# KiCad board PANEL_COM_MOD.kicad_pcb (continued)
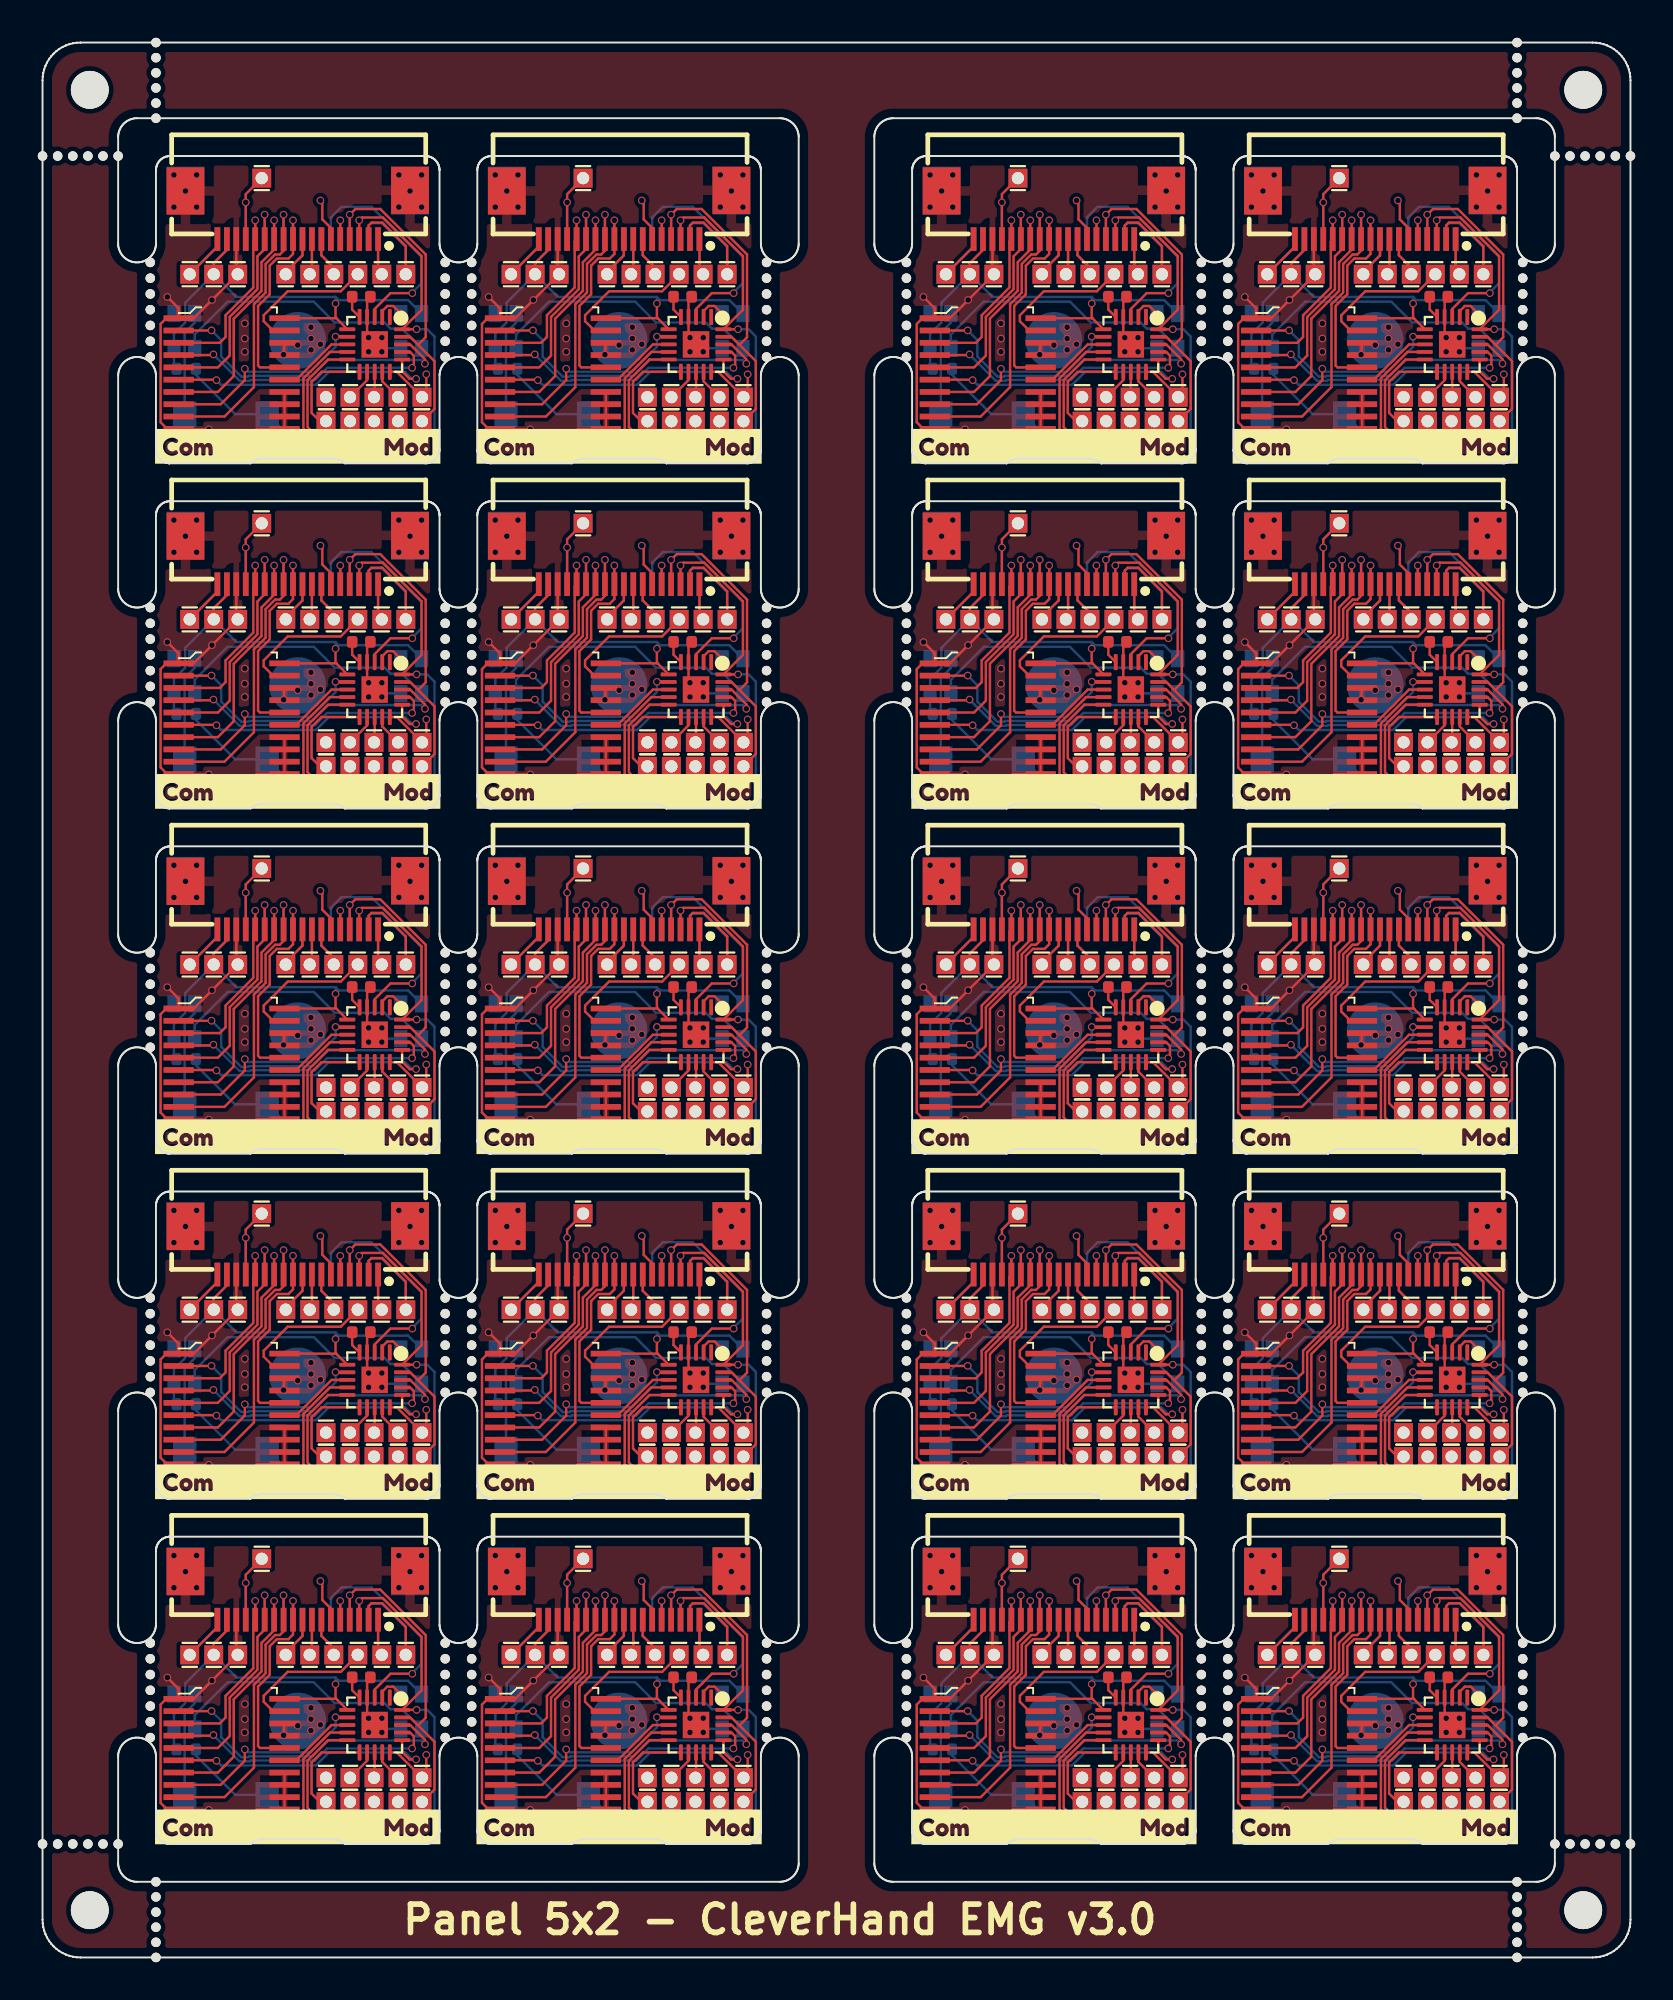
[diagram p0: board, top side]
## Routing (per net, layer and track width the routed paths; a pad name or vN(x,y) marks a point on that pad's centre or on a via; arc(x,y) is an arc through that point) (continued)
Board_15-/i2C_SCL: length 19.7
  Top w0.127: v1(76.79,31.34) U1#9.20 77.05,32.37 77.05,35.21 75.01,37.25 73.9,37.25 v1(73.75,37.1) 73.75,36.08
  Bottom w0.127: 75.81,26.48 76.46,25.83 77.73,25.83 77.73,30.96 77.35,31.34 v1(76.79,31.34) ; v1(73.75,37.1) 73.75,36.08
Board_15-/I2C_SDA: length 18.4
  Top w0.127: 76.87,30.52 76.44,30.94 U1#9.19 ; 76.87,30.52 77.27,30.92 77.27,35.3 74.86,37.7 73.55,37.7 v1(73.25,37.4) 73.25,36.08 ; 76.87,30.52 77.73,29.65 77.73,27.13 77.08,26.48
  Bottom w0.127: v1(73.25,37.4) 73.25,36.08
Board_15-/IO1_in: length 12.2
  Top w0.127: U1#9.3 74.57,32.42 75.4,33.25 v1(76.56,33.25)
  Bottom w0.127: 72.25,36.08 72.25,37.25 72.81,37.81 74.4,37.81 77.05,35.16 77.05,33.78 76.56,33.29 v1(76.56,33.25)
Board_15-/IO1_out: length 19.7
  Top w0.127: U1#9.15 75.74,29.09 77.08,27.75 77.3,27.97 v1(77.3,28.96) ; v1(71.7,38.15) 71.8,38.05 71.8,37.15 72.25,36.7 72.25,36.08
  In2.Cu w0.127: v1(77.3,28.96) 77.64,29.3 77.64,35.36 74.65,38.35 71.9,38.35 v1(71.7,38.15)
Board_15-/IO2: length 2.1
  Top w0.127: v1(72.75,37.1) 72.75,36.08
  Bottom w0.127: 72.75,36.08 v1(72.75,37.1)
Board_15-/LED_IN: length 1.6
  Top w0.127: U1#9.2 74.97,32.3 75.23,32.57 75.55,32.57 v1(75.95,32.17)
Board_15-/PICO: length 3.7
  Top w0.127: J6#8.1 71.25,34.37 71.25,36.08
  Bottom w0.127: 71.25,36.08 71.25,34.37 J6#8.1
Board_15-/PICO_ARM: length 1.4
  Top w0.127: 74.54,27.75 74.57,27.78 U1#9.13
Board_15-/POCI: length 4.4
  Top w0.127: 70.75,36.08 70.75,35.25 69.86,34.37 J5#6.1
  Bottom w0.127: 70.75,36.08 70.75,35.25 69.86,34.37 J5#6.1
Board_15-/SCLK: length 4.2
  Top w0.127: 71.75,36.08 71.75,35.25 72.41,34.6 J7#17.1
  Bottom w0.127: J7#17.1 72.41,34.6 71.75,35.25 71.75,36.08
Board_15-/SCLK_ARM: length 1.7
  Top w0.127: 73.27,27.75 74.17,28.65 U1#9.12
Board_15-/SPICS_ARM: length 9.9
  Top w0.127: 74.54,26.48 73.67,25.61 71.27,25.61 70.8,26.08 70.8,28.74 72.2,30.14 U1#9.9
Board_15-/SWDIO/POCI_ARM: length 1.7
  Top w0.127: 75.81,27.75 74.97,28.59 U1#9.14
Board_15-/Vcap: length 1.2
  Top w0.127: C1#11.2 73.38,32.38 U1#9.5
Board_15-GND: length 34.7
  Top w0.127: U2#10.1 65,31.93 v1(65.96,32.89) J2#7.1 67.25,34.33 67.25,36.08 ; U2#10.1 64.2,32.45 v1(63.6,33.05) ; U2#10.1 63.55,31.93 63.25,31.62 63.25,26.42 63.59,26.08 U2#10.10 64.22,26.05 v1(65.8,26.05) ; U2#10.11 U2#10.14 69.34,28.03 ; U2#10.11 68.32,26.08 v1(68.1,25.85) ; U2#10.11 70.45,26.08 ; U1#9.21 74.25,30.86 v1(74.25,30.9) 74.21,30.9 74.17,30.94 U1#9.4 74.17,32.89 C1#11.1 ; U2#10.18 v1(69.75,30) U2#10.17
  Bottom w0.127: 64.51,26.85 64.51,31.15 65.05,31.69 65.05,32.17 65.24,32.17 v1(65.96,32.89) ; J2#7.1 67.25,34.33 67.25,36.08 ; 74.66,30.34 74.76,30.34 v1(74.95,30.15) 75.13,30.34 75.95,30.34
  vias: v1(63.95,39.5) v1(63.95,37.8) v1(64.56,38.65) v1(65.15,39.5) v1(65.15,37.8) v1(67.7,31.65) v1(67.7,30.85) v1(67.7,30.15) v1(70.5,30.5) v1(71.2,31.45) v1(71.2,30.85) v1(71.2,30.25) v1(71.7,30.55) v1(74.25,30.15) v1(74.95,30.9) v1(75.85,39.5) v1(75.85,37.8) v1(76.44,38.65) v1(77.05,39.5) v1(77.05,37.8)
Board_15-Net-(LED1-DO): length 14.5
  Bottom w0.127: 77.05,30.34 76.01,31.38 75.41,31.38 75.09,31.7 72.45,31.7 71.35,32.8 66.79,32.8 65.05,31.06 65.05,30.34
Board_16-+3.3V: length 26.7
  Top w0.127: U1#8.6 15.55,13.66 ; 15.55,13.66 15.53,13.67 U2#8.20 ; 15.55,13.66 15.5,13.71 v1(15.5,14.45) ; J1#9.1 9.05,16.59 9.75,17.29 9.75,17.83
  Bottom w0.127: 20.05,13.92 19.34,14.63 15.67,14.63 15.5,14.8 ; J1#9.1 9.05,16.59 9.75,17.29 9.75,17.83 ; J1#9.1 10.25,14.8 15.5,14.8 ; J1#9.1 7.55,14.49 7.55,13.45 6.95,12.85 6.95,11.14 R1#9.1 ; 15.5,14.8 v1(15.5,14.45)
Board_16-/addr_bus_0: length 10.5
  Top w0.127: v1(11.25,18.85) 11.25,17.83 11.15,17.72 11.15,15.3 9.68,13.83 9.68,12.68 9.37,12.38 U2#8.3
  Bottom w0.127: 11.25,17.83 v1(11.25,18.85)
Board_16-/addr_bus_1: length 12.5
  Top w0.127: v1(11.75,19.15) 11.75,17.33 11.37,16.95 11.37,15.21 9.9,13.74 9.9,11.7 9.27,11.08 U2#8.5
  Bottom w0.127: 11.75,17.83 v1(11.75,19.15)
Board_16-/addr_bus_2: length 13.4
  Top w0.127: v1(12.25,18.85) 12.25,17.3 11.58,16.63 11.58,15.12 10.12,13.65 10.12,10.62 9.27,9.78 U2#8.7
  Bottom w0.127: 12.25,17.83 v1(12.25,18.85)
Board_16-/addr_bus_3: length 15.9
  Top w0.127: v1(12.75,19.15) 12.75,17.24 12.55,17.05 12.3,17.05 11.8,16.54 11.8,15.03 11.18,14.41 11.18,10.03 9.62,8.48 U2#8.9
  Bottom w0.127: 12.75,17.83 v1(12.75,19.15)
Board_16-/addr_bus_4: length 11.3
  Top w0.127: v1(13.25,18.85) 13.25,17.07 13.01,16.83 12.39,16.83 12.02,16.45 12.02,14.94 11.4,14.32 11.4,11.18 11.5,11.08 U2#8.16
  Bottom w0.127: 13.25,17.83 v1(13.25,18.85)
Board_16-/addr_mod_0: length 16.8
  Top w0.127: v1(8.94,13.03) 8.93,13.03 U2#8.2 ; v1(20.23,11.27) 20.23,11.51 19.44,12.29 U1#8.18
  Bottom w0.127: v1(8.94,13.03) 9.45,12.52 9.45,11.65 10.51,10.59 10.87,10.59 10.91,10.63 14.27,10.63 15.12,11.47 20.03,11.47 v1(20.23,11.27)
Board_16-/addr_mod_1: length 14.6
  Top w0.127: v1(19.55,11.05) 19.55,11.11 19.64,11.2 19.64,11.7 19.44,11.89 U1#8.17 ; v1(9.04,11.76) 9,11.73 U2#8.4
  Bottom w0.127: v1(19.55,11.05) 15.05,11.05 14.41,10.41 11,10.41 10.96,10.37 10.42,10.37 9.04,11.75 v1(9.04,11.76)
Board_16-/addr_mod_2: length 14.6
  Top w0.127: v1(19.76,10.47) 19.42,10.47 19.02,10.87 U1#8.16 ; v1(9.2,10.4) 9.17,10.42 U2#8.6
  Bottom w0.127: v1(19.76,10.47) 19.55,10.47 19.18,10.83 15.14,10.83 14.46,10.15 9.45,10.15 v1(9.2,10.4)
Board_16-/addr_mod_3: length 11.2
  Top w0.127: U1#8.7 15.69,12.69 15.68,12.7 v1(15.5,12.7) ; v1(10.7,11) 10.7,10.4 9.42,9.12 U2#8.8
  Bottom w0.127: v1(15.5,12.7) 15.5,12.16 14.18,10.85 10.85,10.85 v1(10.7,11)
Board_16-/addr_mod_4: length 4.1
  Top w0.127: U2#8.15 13.42,10.42 15.29,12.29 16.12,12.29 U1#8.8
Board_16-/AIN0: length 5.3
  Top w0.127: U1#8.11 14.76,10.84 14.23,10.31 14.23,8.67 14.67,8.23 15,8.23
Board_16-/AUX1: length 4.9
  Top w0.127: J19#14.1 9.25,17.47 9.25,17.83
  Bottom w0.127: J19#14.1 9.25,17.47 9.25,17.83
Board_16-/AUX2: length 9.5
  Top w0.127: J20#12.1 19.21,17.48 17.97,18.73 17.4,18.73 17.25,18.58 17.25,17.83
  Bottom w0.127: 17.25,17.83 17.25,18.58 17.37,18.7 17.96,18.7 19.21,17.44 J20#12.1
Board_16-/AUX3: length 5.6
  Top w0.127: 10.75,17.83 v1(10.75,19.8) 10.75,20.23 J3#11.1
  Bottom w0.127: v1(10.75,19.8) 10.75,17.83
Board_16-/CSB: length 7.5
  Top w0.127: U2#8.19 12.19,13.03 11.7,13.52 11.7,13.83 12.97,15.1 15.77,15.1 J8#7.1
Board_16-/extRef: length 3.8
  Top w0.127: J9#14.1 17.75,16.2 17.75,17.83
  Bottom w0.127: 17.75,17.83 17.75,16.2 J9#14.1
Board_16-/GPIO: length 17.7
  Top w0.127: U1#8.10 15.1,11.49 14.02,10.4 14.02,7.92 14.36,7.58 15.62,7.58 16.27,8.23
  Bottom w0.127: R1#9.2 8.11,10.68 10.19,8.6 11.88,8.6 12.91,7.58 15.62,7.58 16.27,8.23
Board_16-/i2C_SCL: length 19.7
  Top w0.127: v1(19.79,13.09) U1#8.20 20.05,14.12 20.05,16.96 18.01,19 16.9,19 v1(16.75,18.85) 16.75,17.83
  Bottom w0.127: v1(16.75,18.85) 16.75,17.83 ; v1(19.79,13.09) 20.35,13.09 20.73,12.71 20.73,7.58 19.46,7.58 18.81,8.23
Board_16-/I2C_SDA: length 18.4
  Top w0.127: 19.87,12.27 19.44,12.69 U1#8.19 ; 19.87,12.27 20.73,11.4 20.73,8.88 20.08,8.23 ; 19.87,12.27 20.27,12.67 20.27,17.05 17.86,19.45 16.55,19.45 v1(16.25,19.15) 16.25,17.83
  Bottom w0.127: v1(16.25,19.15) 16.25,17.83
Board_16-/IO1_in: length 12.2
  Top w0.127: U1#8.3 17.57,14.17 18.4,15 v1(19.56,15)
  Bottom w0.127: v1(19.56,15) 19.56,15.04 20.05,15.53 20.05,16.91 17.4,19.56 15.81,19.56 15.25,19 15.25,17.83
Board_16-/IO1_out: length 19.7
  Top w0.127: U1#8.15 18.74,10.84 20.08,9.5 20.3,9.72 v1(20.3,10.71) ; 15.25,17.83 15.25,18.45 14.8,18.9 14.8,19.8 v1(14.7,19.9)
  In2.Cu w0.127: v1(20.3,10.71) 20.64,11.05 20.64,17.11 17.65,20.1 14.9,20.1 v1(14.7,19.9)
Board_16-/IO2: length 2.1
  Top w0.127: v1(15.75,18.85) 15.75,17.83
  Bottom w0.127: 15.75,17.83 v1(15.75,18.85)
Board_16-/LED_IN: length 1.6
  Top w0.127: U1#8.2 17.97,14.05 18.23,14.32 18.55,14.32 v1(18.95,13.92)
Board_16-/PICO: length 3.7
  Top w0.127: 14.25,17.83 14.25,16.12 J6#19.1
  Bottom w0.127: 14.25,17.83 14.25,16.12 J6#19.1
Board_16-/PICO_ARM: length 1.4
  Top w0.127: U1#8.13 17.57,9.53 17.54,9.5
Board_16-/POCI: length 4.4
  Top w0.127: J5#2.1 12.86,16.12 13.75,17 13.75,17.83
  Bottom w0.127: J5#2.1 12.86,16.12 13.75,17 13.75,17.83
Board_16-/SCLK: length 4.2
  Top w0.127: J7#13.1 15.41,16.35 14.75,17 14.75,17.83
  Bottom w0.127: 14.75,17.83 14.75,17 15.41,16.34 J7#13.1
Board_16-/SCLK_ARM: length 1.7
  Top w0.127: U1#8.12 17.17,10.4 16.27,9.5
Board_16-/SPICS_ARM: length 9.9
  Top w0.127: U1#8.9 15.2,11.89 13.8,10.49 13.8,7.83 14.27,7.36 16.67,7.36 17.54,8.23
Board_16-/SWDIO/POCI_ARM: length 1.7
  Top w0.127: U1#8.14 17.97,10.34 18.81,9.5
Board_16-/Vcap: length 1.2
  Top w0.127: C1#6.2 16.38,14.13 U1#8.5
Board_16-GND: length 34.7
  Top w0.127: v1(6.6,14.8) 7.2,14.2 U2#8.1 ; 10.25,17.83 10.25,16.08 J2#8.1 v1(8.96,14.64) 8,13.67 U2#8.1 ; U2#8.17 v1(12.75,11.75) U2#8.18 ; U2#8.11 13.45,7.83 ; U2#8.11 11.32,7.83 v1(11.1,7.6) ; U2#8.11 U2#8.14 12.34,9.78 ; v1(8.8,7.8) 7.23,7.8 U2#8.10 6.59,7.83 6.25,8.17 6.25,13.37 6.55,13.67 U2#8.1 ; U1#8.21 17.25,12.61 v1(17.25,12.65) 17.21,12.65 17.17,12.69 U1#8.4 17.17,14.64 C1#6.1
  Bottom w0.127: 18.95,12.09 18.13,12.09 v1(17.95,11.9) 17.76,12.09 17.66,12.09 ; 7.51,8.6 7.51,12.9 8.05,13.44 8.05,13.92 8.24,13.92 v1(8.96,14.64) ; J2#8.1 10.25,16.08 10.25,17.83
  vias: v1(6.95,21.25) v1(6.95,19.55) v1(7.56,20.4) v1(8.15,21.25) v1(8.15,19.55) v1(10.7,13.4) v1(10.7,12.6) v1(10.7,11.9) v1(13.5,12.25) v1(14.2,13.2) v1(14.2,12.6) v1(14.2,12) v1(14.7,12.3) v1(17.25,11.9) v1(17.95,12.65) v1(18.85,21.25) v1(18.85,19.55) v1(19.44,20.4) v1(20.05,21.25) v1(20.05,19.55)
Board_16-Net-(LED1-DO): length 14.5
  Bottom w0.127: 8.05,12.09 8.05,12.81 9.79,14.55 14.35,14.55 15.45,13.45 18.09,13.45 18.41,13.13 19.01,13.13 20.05,12.09
Board_17-+3.3V: length 26.7
  Top w0.127: J1#10.1 26.05,16.59 26.75,17.29 26.75,17.83 ; 32.55,13.66 32.53,13.67 U2#7.20 ; 32.55,13.66 U1#2.6 ; 32.55,13.66 32.5,13.71 v1(32.5,14.45)
  Bottom w0.127: 32.5,14.8 v1(32.5,14.45) ; 32.5,14.8 27.26,14.8 J1#10.1 ; 32.5,14.8 32.67,14.63 36.34,14.63 37.05,13.92 ; J1#10.1 24.55,14.49 24.55,13.45 23.95,12.85 23.95,11.14 R1#11.1 ; J1#10.1 26.05,16.59 26.75,17.29 26.75,17.83
Board_17-/addr_bus_0: length 10.5
  Top w0.127: U2#7.3 26.37,12.38 26.68,12.68 26.68,13.83 28.15,15.3 28.15,17.72 28.25,17.83 v1(28.25,18.85)
  Bottom w0.127: 28.25,17.83 v1(28.25,18.85)
Board_17-/addr_bus_1: length 12.5
  Top w0.127: U2#7.5 26.27,11.08 26.9,11.7 26.9,13.74 28.37,15.21 28.37,16.95 28.75,17.33 v1(28.75,19.15)
  Bottom w0.127: 28.75,17.83 v1(28.75,19.15)
Board_17-/addr_bus_2: length 13.4
  Top w0.127: v1(29.25,18.85) 29.25,17.3 28.58,16.63 28.58,15.12 27.12,13.65 27.12,10.62 26.27,9.78 U2#7.7
  Bottom w0.127: 29.25,17.83 v1(29.25,18.85)
Board_17-/addr_bus_3: length 15.9
  Top w0.127: v1(29.75,19.15) 29.75,17.24 29.55,17.05 29.3,17.05 28.8,16.54 28.8,15.03 28.18,14.41 28.18,10.03 26.62,8.48 U2#7.9
  Bottom w0.127: 29.75,17.83 v1(29.75,19.15)
Board_17-/addr_bus_4: length 11.3
  Top w0.127: U2#7.16 28.5,11.08 28.4,11.18 28.4,14.32 29.02,14.94 29.02,16.45 29.39,16.83 30.01,16.83 30.25,17.07 v1(30.25,18.85)
  Bottom w0.127: 30.25,17.83 v1(30.25,18.85)
Board_17-/addr_mod_0: length 16.8
  Top w0.127: v1(25.94,13.03) 25.93,13.03 U2#7.2 ; U1#2.18 36.44,12.29 37.23,11.51 v1(37.23,11.27)
  Bottom w0.127: v1(37.23,11.27) 37.03,11.47 32.12,11.47 31.27,10.63 27.91,10.63 27.87,10.59 27.51,10.59 26.45,11.65 26.45,12.52 v1(25.94,13.03)
Board_17-/addr_mod_1: length 14.6
  Top w0.127: v1(26.04,11.76) 26,11.73 U2#7.4 ; U1#2.17 36.44,11.89 36.64,11.7 36.64,11.2 36.55,11.11 v1(36.55,11.05)
  Bottom w0.127: v1(36.55,11.05) 32.05,11.05 31.41,10.41 28,10.41 27.96,10.37 27.42,10.37 26.04,11.75 v1(26.04,11.76)
Board_17-/addr_mod_2: length 14.6
  Top w0.127: v1(26.2,10.4) 26.17,10.42 U2#7.6 ; U1#2.16 36.02,10.87 36.42,10.47 v1(36.76,10.47)
  Bottom w0.127: v1(26.2,10.4) 26.45,10.15 31.46,10.15 32.14,10.83 36.18,10.83 36.55,10.47 v1(36.76,10.47)
Board_17-/addr_mod_3: length 11.2
  Top w0.127: U1#2.7 32.69,12.69 32.68,12.7 v1(32.5,12.7) ; v1(27.7,11) 27.7,10.4 26.42,9.12 U2#7.8
  Bottom w0.127: v1(32.5,12.7) 32.5,12.16 31.18,10.85 27.85,10.85 v1(27.7,11)
Board_17-/addr_mod_4: length 4.1
  Top w0.127: U1#2.8 33.12,12.29 32.29,12.29 30.42,10.42 U2#7.15
Board_17-/AIN0: length 5.3
  Top w0.127: 32,8.23 31.67,8.23 31.23,8.67 31.23,10.31 31.76,10.84 U1#2.11
Board_17-/AUX1: length 4.9
  Top w0.127: 26.25,17.83 26.25,17.47 J19#12.1
  Bottom w0.127: J19#12.1 26.25,17.47 26.25,17.83
Board_17-/AUX2: length 9.5
  Top w0.127: J20#2.1 36.22,17.48 34.97,18.73 34.4,18.73 34.25,18.58 34.25,17.83
  Bottom w0.127: 34.25,17.83 34.25,18.58 34.37,18.7 34.96,18.7 36.22,17.44 J20#2.1
Board_17-/AUX3: length 5.6
  Top w0.127: J3#15.1 27.75,20.23 v1(27.75,19.8) 27.75,17.83
  Bottom w0.127: v1(27.75,19.8) 27.75,17.83
Board_17-/CSB: length 7.5
  Top w0.127: U2#7.19 29.19,13.03 28.7,13.52 28.7,13.83 29.97,15.1 32.77,15.1 J8#16.1
Board_17-/extRef: length 3.8
  Top w0.127: J9#6.1 34.75,16.2 34.75,17.83
  Bottom w0.127: 34.75,17.83 34.75,16.2 J9#6.1
Board_17-/GPIO: length 17.7
  Top w0.127: 33.27,8.23 32.62,7.58 31.36,7.58 31.02,7.92 31.02,10.4 32.1,11.49 U1#2.10
  Bottom w0.127: 33.27,8.23 32.62,7.58 29.91,7.58 28.88,8.6 27.19,8.6 25.11,10.68 R1#11.2
Board_17-/i2C_SCL: length 19.7
  Top w0.127: v1(36.79,13.09) U1#2.20 37.05,14.12 37.05,16.96 35.01,19 33.9,19 v1(33.75,18.85) 33.75,17.83
  Bottom w0.127: 35.81,8.23 36.46,7.58 37.73,7.58 37.73,12.71 37.35,13.09 v1(36.79,13.09) ; v1(33.75,18.85) 33.75,17.83
Board_17-/I2C_SDA: length 18.4
  Top w0.127: 37.08,8.23 37.73,8.88 37.73,11.4 36.87,12.27 ; 36.87,12.27 36.44,12.69 U1#2.19 ; 36.87,12.27 37.27,12.67 37.27,17.05 34.86,19.45 33.55,19.45 v1(33.25,19.15) 33.25,17.83
  Bottom w0.127: v1(33.25,19.15) 33.25,17.83
Board_17-/IO1_in: length 12.2
  Top w0.127: U1#2.3 34.57,14.17 35.4,15 v1(36.56,15)
  Bottom w0.127: v1(36.56,15) 36.56,15.04 37.05,15.53 37.05,16.91 34.4,19.56 32.81,19.56 32.25,19 32.25,17.83
Board_17-/IO1_out: length 19.7
  Top w0.127: v1(31.7,19.9) 31.8,19.8 31.8,18.9 32.25,18.45 32.25,17.83 ; U1#2.15 35.74,10.84 37.08,9.5 37.3,9.72 v1(37.3,10.71)
  In2.Cu w0.127: v1(31.7,19.9) 31.9,20.1 34.65,20.1 37.64,17.11 37.64,11.05 v1(37.3,10.71)
Board_17-/IO2: length 2.1
  Top w0.127: v1(32.75,18.85) 32.75,17.83
  Bottom w0.127: 32.75,17.83 v1(32.75,18.85)
Board_17-/LED_IN: length 1.6
  Top w0.127: v1(35.95,13.92) 35.55,14.32 35.23,14.32 34.97,14.05 U1#2.2
Board_17-/PICO: length 3.7
  Top w0.127: J6#5.1 31.25,16.12 31.25,17.83
  Bottom w0.127: J6#5.1 31.25,16.12 31.25,17.83
Board_17-/PICO_ARM: length 1.4
  Top w0.127: U1#2.13 34.57,9.53 34.54,9.5
Board_17-/POCI: length 4.4
  Top w0.127: J5#12.1 29.87,16.12 30.75,17 30.75,17.83
  Bottom w0.127: 30.75,17.83 30.75,17 29.87,16.12 J5#12.1
Board_17-/SCLK: length 4.2
  Top w0.127: J7#2.1 32.41,16.35 31.75,17 31.75,17.83
  Bottom w0.127: 31.75,17.83 31.75,17 32.41,16.34 J7#2.1
Board_17-/SCLK_ARM: length 1.7
  Top w0.127: U1#2.12 34.17,10.4 33.27,9.5
Board_17-/SPICS_ARM: length 9.9
  Top w0.127: U1#2.9 32.2,11.89 30.8,10.49 30.8,7.83 31.27,7.36 33.67,7.36 34.54,8.23
Board_17-/SWDIO/POCI_ARM: length 1.7
  Top w0.127: 35.81,9.5 34.97,10.34 U1#2.14
Board_17-/Vcap: length 1.2
  Top w0.127: U1#2.5 33.38,14.13 C1#13.2
Board_17-GND: length 34.7
  Top w0.127: v1(25.8,7.8) 24.23,7.8 U2#7.10 23.59,7.83 23.25,8.17 23.25,13.37 23.55,13.67 U2#7.1 ; U2#7.1 24.2,14.2 v1(23.6,14.8) ; U2#7.1 25,13.67 v1(25.96,14.64) J2#14.1 27.25,16.08 27.25,17.83 ; U2#7.18 v1(29.75,11.75) U2#7.17 ; U2#7.11 28.32,7.83 v1(28.1,7.6) ; U2#7.11 U2#7.14 29.34,9.78 ; U2#7.11 30.45,7.83 ; U1#2.21 34.25,12.61 v1(34.25,12.65) 34.21,12.65 34.17,12.69 U1#2.4 34.17,14.64 C1#13.1
  Bottom w0.127: 27.25,17.83 27.25,16.08 J2#14.1 ; v1(25.96,14.64) 25.24,13.92 25.05,13.92 25.05,13.44 24.51,12.9 24.51,8.6 ; 35.95,12.09 35.13,12.09 v1(34.95,11.9) 34.76,12.09 34.66,12.09
  vias: v1(23.95,21.25) v1(23.95,19.55) v1(24.56,20.4) v1(25.15,21.25) v1(25.15,19.55) v1(27.7,13.4) v1(27.7,12.6) v1(27.7,11.9) v1(30.5,12.25) v1(31.2,13.2) v1(31.2,12.6) v1(31.2,12) v1(31.7,12.3) v1(34.25,11.9) v1(34.95,12.65) v1(35.85,21.25) v1(35.85,19.55) v1(36.44,20.4) v1(37.05,21.25) v1(37.05,19.55)
Board_17-Net-(LED1-DO): length 14.5
  Bottom w0.127: 25.05,12.09 25.05,12.81 26.79,14.55 31.35,14.55 32.45,13.45 35.09,13.45 35.41,13.13 36.01,13.13 37.05,12.09
Board_18-+3.3V: length 26.7
  Top w0.127: 49.75,17.83 49.75,17.29 49.05,16.59 J1#2.1 ; U1#17.6 55.55,13.66 ; 55.55,13.66 55.53,13.67 U2#14.20 ; 55.55,13.66 55.5,13.71 v1(55.5,14.45)
  Bottom w0.127: 49.75,17.83 49.75,17.29 49.05,16.59 J1#2.1 ; J1#2.1 50.26,14.8 55.5,14.8 ; J1#2.1 47.55,14.49 47.55,13.45 46.95,12.85 46.95,11.14 R1#2.1 ; 60.05,13.92 59.34,14.63 55.67,14.63 55.5,14.8 ; 55.5,14.8 v1(55.5,14.45)
Board_18-/addr_bus_0: length 10.5
  Top w0.127: v1(51.25,18.85) 51.25,17.83 51.15,17.72 51.15,15.3 49.68,13.83 49.68,12.68 49.37,12.38 U2#14.3
  Bottom w0.127: 51.25,17.83 v1(51.25,18.85)
Board_18-/addr_bus_1: length 12.5
  Top w0.127: v1(51.75,19.15) 51.75,17.33 51.37,16.95 51.37,15.21 49.9,13.74 49.9,11.7 49.27,11.08 U2#14.5
  Bottom w0.127: 51.75,17.83 v1(51.75,19.15)
Board_18-/addr_bus_2: length 13.4
  Top w0.127: U2#14.7 49.27,9.78 50.12,10.62 50.12,13.65 51.58,15.12 51.58,16.63 52.25,17.3 v1(52.25,18.85)
  Bottom w0.127: 52.25,17.83 v1(52.25,18.85)
Board_18-/addr_bus_3: length 15.9
  Top w0.127: U2#14.9 49.62,8.48 51.18,10.03 51.18,14.41 51.8,15.03 51.8,16.54 52.3,17.05 52.55,17.05 52.75,17.24 v1(52.75,19.15)
  Bottom w0.127: 52.75,17.83 v1(52.75,19.15)
Board_18-/addr_bus_4: length 11.3
  Top w0.127: U2#14.16 51.5,11.08 51.4,11.18 51.4,14.32 52.02,14.94 52.02,16.45 52.39,16.83 53.01,16.83 53.25,17.07 v1(53.25,18.85)
  Bottom w0.127: 53.25,17.83 v1(53.25,18.85)
Board_18-/addr_mod_0: length 16.8
  Top w0.127: U1#17.18 59.44,12.29 60.23,11.51 v1(60.23,11.27) ; v1(48.94,13.03) 48.93,13.03 U2#14.2
  Bottom w0.127: v1(48.94,13.03) 49.45,12.52 49.45,11.65 50.51,10.59 50.87,10.59 50.91,10.63 54.27,10.63 55.12,11.47 60.03,11.47 v1(60.23,11.27)
Board_18-/addr_mod_1: length 14.6
  Top w0.127: v1(59.55,11.05) 59.55,11.11 59.64,11.2 59.64,11.7 59.44,11.89 U1#17.17 ; v1(49.04,11.76) 49,11.73 U2#14.4
  Bottom w0.127: v1(59.55,11.05) 55.05,11.05 54.41,10.41 51,10.41 50.96,10.37 50.42,10.37 49.04,11.75 v1(49.04,11.76)
Board_18-/addr_mod_2: length 14.6
  Top w0.127: v1(49.2,10.4) 49.17,10.42 U2#14.6 ; U1#17.16 59.02,10.87 59.42,10.47 v1(59.76,10.47)
  Bottom w0.127: v1(49.2,10.4) 49.45,10.15 54.46,10.15 55.14,10.83 59.18,10.83 59.55,10.47 v1(59.76,10.47)
Board_18-/addr_mod_3: length 11.2
  Top w0.127: U1#17.7 55.69,12.69 55.68,12.7 v1(55.5,12.7) ; v1(50.7,11) 50.7,10.4 49.42,9.12 U2#14.8
  Bottom w0.127: v1(55.5,12.7) 55.5,12.16 54.18,10.85 50.85,10.85 v1(50.7,11)
Board_18-/addr_mod_4: length 4.1
  Top w0.127: U2#14.15 53.42,10.42 55.29,12.29 56.12,12.29 U1#17.8
Board_18-/AIN0: length 5.3
  Top w0.127: 55,8.23 54.67,8.23 54.23,8.67 54.23,10.31 54.76,10.84 U1#17.11
Board_18-/AUX1: length 4.9
  Top w0.127: 49.25,17.83 49.25,17.47 J19#9.1
  Bottom w0.127: J19#9.1 49.25,17.47 49.25,17.83
Board_18-/AUX2: length 9.5
  Top w0.127: 57.25,17.83 57.25,18.58 57.4,18.73 57.97,18.73 59.22,17.48 J20#16.1
  Bottom w0.127: J20#16.1 59.22,17.44 57.96,18.7 57.37,18.7 57.25,18.58 57.25,17.83
Board_18-/AUX3: length 5.6
  Top w0.127: J3#12.1 50.75,20.23 v1(50.75,19.8) 50.75,17.83
  Bottom w0.127: v1(50.75,19.8) 50.75,17.83
Board_18-/CSB: length 7.5
  Top w0.127: J8#11.1 55.77,15.1 52.97,15.1 51.7,13.83 51.7,13.52 52.19,13.03 U2#14.19
Board_18-/extRef: length 3.8
  Top w0.127: 57.75,17.83 57.75,16.2 J9#5.1
  Bottom w0.127: J9#5.1 57.75,16.2 57.75,17.83
Board_18-/GPIO: length 17.7
  Top w0.127: 56.27,8.23 55.62,7.58 54.36,7.58 54.02,7.92 54.02,10.4 55.1,11.49 U1#17.10
  Bottom w0.127: R1#2.2 48.11,10.68 50.19,8.6 51.88,8.6 52.91,7.58 55.62,7.58 56.27,8.23
Board_18-/i2C_SCL: length 19.7
  Top w0.127: 56.75,17.83 v1(56.75,18.85) 56.9,19 58.01,19 60.05,16.96 60.05,14.12 U1#17.20 v1(59.79,13.09)
  Bottom w0.127: v1(59.79,13.09) 60.35,13.09 60.73,12.71 60.73,7.58 59.46,7.58 58.81,8.23 ; v1(56.75,18.85) 56.75,17.83
Board_18-/I2C_SDA: length 18.4
  Top w0.127: 59.87,12.27 60.27,12.67 60.27,17.05 57.86,19.45 56.55,19.45 v1(56.25,19.15) 56.25,17.83 ; 59.87,12.27 60.73,11.4 60.73,8.88 60.08,8.23 ; 59.87,12.27 59.44,12.69 U1#17.19
  Bottom w0.127: v1(56.25,19.15) 56.25,17.83
Board_18-/IO1_in: length 12.2
  Top w0.127: U1#17.3 57.57,14.17 58.4,15 v1(59.56,15)
  Bottom w0.127: v1(59.56,15) 59.56,15.04 60.05,15.53 60.05,16.91 57.4,19.56 55.81,19.56 55.25,19 55.25,17.83
Board_18-/IO1_out: length 19.7
  Top w0.127: 55.25,17.83 55.25,18.45 54.8,18.9 54.8,19.8 v1(54.7,19.9) ; v1(60.3,10.71) 60.3,9.72 60.08,9.5 58.74,10.84 U1#17.15
  In2.Cu w0.127: v1(60.3,10.71) 60.64,11.05 60.64,17.11 57.65,20.1 54.9,20.1 v1(54.7,19.9)
Board_18-/IO2: length 2.1
  Top w0.127: v1(55.75,18.85) 55.75,17.83
  Bottom w0.127: 55.75,17.83 v1(55.75,18.85)
Board_18-/LED_IN: length 1.6
  Top w0.127: v1(58.95,13.92) 58.55,14.32 58.23,14.32 57.97,14.05 U1#17.2
Board_18-/PICO: length 3.7
  Top w0.127: 54.25,17.83 54.25,16.12 J6#18.1
  Bottom w0.127: 54.25,17.83 54.25,16.12 J6#18.1
Board_18-/PICO_ARM: length 1.4
  Top w0.127: 57.54,9.5 57.57,9.53 U1#17.13
Board_18-/POCI: length 4.4
  Top w0.127: 53.75,17.83 53.75,17 52.87,16.12 J5#11.1
  Bottom w0.127: 53.75,17.83 53.75,17 52.87,16.12 J5#11.1
Board_18-/SCLK: length 4.2
  Top w0.127: 54.75,17.83 54.75,17 55.41,16.35 J7#7.1
  Bottom w0.127: 54.75,17.83 54.75,17 55.41,16.34 J7#7.1
Board_18-/SCLK_ARM: length 1.7
  Top w0.127: 56.27,9.5 57.17,10.4 U1#17.12
Board_18-/SPICS_ARM: length 9.9
  Top w0.127: 57.54,8.23 56.67,7.36 54.27,7.36 53.8,7.83 53.8,10.49 55.2,11.89 U1#17.9
Board_18-/SWDIO/POCI_ARM: length 1.7
  Top w0.127: 58.81,9.5 57.97,10.34 U1#17.14
Board_18-/Vcap: length 1.2
  Top w0.127: C1#7.2 56.38,14.13 U1#17.5
Board_18-GND: length 34.7
  Top w0.127: v1(48.8,7.8) 47.23,7.8 U2#14.10 46.59,7.83 46.25,8.17 46.25,13.37 46.55,13.67 U2#14.1 ; v1(51.1,7.6) 51.32,7.83 U2#14.11 ; U2#14.17 v1(52.75,11.75) U2#14.18 ; v1(46.6,14.8) 47.2,14.2 U2#14.1 ; U2#14.11 53.45,7.83 ; U2#14.11 U2#14.14 52.34,9.78 ; C1#7.1 57.17,14.64 U1#17.4 57.17,12.69 57.21,12.65 v1(57.25,12.65) 57.25,12.61 U1#17.21 ; 50.25,17.83 50.25,16.08 J2#11.1 v1(48.96,14.64) 48,13.67 U2#14.1
  Bottom w0.127: 47.51,8.6 47.51,12.9 48.05,13.44 48.05,13.92 48.24,13.92 v1(48.96,14.64) ; 57.66,12.09 57.76,12.09 v1(57.95,11.9) 58.13,12.09 58.95,12.09 ; J2#11.1 50.25,16.08 50.25,17.83
  vias: v1(46.95,21.25) v1(46.95,19.55) v1(47.56,20.4) v1(48.15,21.25) v1(48.15,19.55) v1(50.7,13.4) v1(50.7,12.6) v1(50.7,11.9) v1(53.5,12.25) v1(54.2,13.2) v1(54.2,12.6) v1(54.2,12) v1(54.7,12.3) v1(57.25,11.9) v1(57.95,12.65) v1(58.85,21.25) v1(58.85,19.55) v1(59.44,20.4) v1(60.05,21.25) v1(60.05,19.55)
Board_18-Net-(LED1-DO): length 14.5
  Bottom w0.127: 60.05,12.09 59.01,13.13 58.41,13.13 58.09,13.45 55.45,13.45 54.35,14.55 49.79,14.55 48.05,12.81 48.05,12.09
Board_19-+3.3V: length 26.7
  Top w0.127: 72.55,13.66 72.5,13.71 v1(72.5,14.45) ; 72.55,13.66 U1#13.6 ; 72.55,13.66 72.53,13.67 U2#11.20 ; 66.75,17.83 66.75,17.29 66.06,16.59 J1#11.1
  Bottom w0.127: 72.5,14.8 67.25,14.8 J1#11.1 ; 72.5,14.8 72.67,14.63 76.34,14.63 77.05,13.92 ; 72.5,14.8 v1(72.5,14.45) ; 66.75,17.83 66.75,17.29 66.06,16.59 J1#11.1 ; J1#11.1 64.55,14.49 64.55,13.45 63.95,12.85 63.95,11.14 R1#20.1
Board_19-/addr_bus_0: length 10.5
  Top w0.127: U2#11.3 66.37,12.38 66.68,12.68 66.68,13.83 68.15,15.3 68.15,17.72 68.25,17.83 v1(68.25,18.85)
  Bottom w0.127: 68.25,17.83 v1(68.25,18.85)
Board_19-/addr_bus_1: length 12.5
  Top w0.127: v1(68.75,19.15) 68.75,17.33 68.37,16.95 68.37,15.21 66.9,13.74 66.9,11.7 66.27,11.08 U2#11.5
  Bottom w0.127: 68.75,17.83 v1(68.75,19.15)
Board_19-/addr_bus_2: length 13.4
  Top w0.127: U2#11.7 66.27,9.78 67.12,10.62 67.12,13.65 68.58,15.12 68.58,16.63 69.25,17.3 v1(69.25,18.85)
  Bottom w0.127: 69.25,17.83 v1(69.25,18.85)
Board_19-/addr_bus_3: length 15.9
  Top w0.127: U2#11.9 66.62,8.48 68.18,10.03 68.18,14.41 68.8,15.03 68.8,16.54 69.3,17.05 69.55,17.05 69.75,17.24 v1(69.75,19.15)
  Bottom w0.127: 69.75,17.83 v1(69.75,19.15)
Board_19-/addr_bus_4: length 11.3
  Top w0.127: U2#11.16 68.5,11.08 68.4,11.18 68.4,14.32 69.02,14.94 69.02,16.45 69.39,16.83 70.01,16.83 70.25,17.07 v1(70.25,18.85)
  Bottom w0.127: 70.25,17.83 v1(70.25,18.85)
Board_19-/addr_mod_0: length 16.8
  Top w0.127: U1#13.18 76.44,12.29 77.23,11.51 v1(77.23,11.27) ; v1(65.94,13.03) 65.93,13.03 U2#11.2
  Bottom w0.127: v1(65.94,13.03) 66.45,12.52 66.45,11.65 67.51,10.59 67.87,10.59 67.91,10.63 71.27,10.63 72.12,11.47 77.03,11.47 v1(77.23,11.27)
Board_19-/addr_mod_1: length 14.6
  Top w0.127: U2#11.4 66,11.73 v1(66.04,11.76) ; U1#13.17 76.44,11.89 76.64,11.7 76.64,11.2 76.55,11.11 v1(76.55,11.05)
  Bottom w0.127: v1(76.55,11.05) 72.05,11.05 71.41,10.41 68,10.41 67.96,10.37 67.42,10.37 66.04,11.75 v1(66.04,11.76)
Board_19-/addr_mod_2: length 14.6
  Top w0.127: U2#11.6 66.17,10.42 v1(66.2,10.4) ; U1#13.16 76.02,10.87 76.42,10.47 v1(76.76,10.47)
  Bottom w0.127: v1(76.76,10.47) 76.55,10.47 76.18,10.83 72.14,10.83 71.46,10.15 66.45,10.15 v1(66.2,10.4)
Board_19-/addr_mod_3: length 11.2
  Top w0.127: v1(67.7,11) 67.7,10.4 66.42,9.12 U2#11.8 ; v1(72.5,12.7) 72.68,12.7 72.69,12.69 U1#13.7
  Bottom w0.127: v1(72.5,12.7) 72.5,12.16 71.18,10.85 67.85,10.85 v1(67.7,11)
Board_19-/addr_mod_4: length 4.1
  Top w0.127: U2#11.15 70.42,10.42 72.29,12.29 73.12,12.29 U1#13.8
Board_19-/AIN0: length 5.3
  Top w0.127: U1#13.11 71.76,10.84 71.23,10.31 71.23,8.67 71.67,8.23 72,8.23
Board_19-/AUX1: length 4.9
  Top w0.127: 66.25,17.83 66.25,17.47 J19#2.1
  Bottom w0.127: J19#2.1 66.25,17.47 66.25,17.83
Board_19-/AUX2: length 9.5
  Top w0.127: 74.25,17.83 74.25,18.58 74.4,18.73 74.97,18.73 76.22,17.48 J20.1
  Bottom w0.127: 74.25,17.83 74.25,18.58 74.37,18.7 74.96,18.7 76.22,17.44 J20.1
Board_19-/AUX3: length 5.6
  Top w0.127: J3#8.1 67.75,20.23 v1(67.75,19.8) 67.75,17.83
  Bottom w0.127: v1(67.75,19.8) 67.75,17.83
Board_19-/CSB: length 7.5
  Top w0.127: U2#11.19 69.19,13.03 68.7,13.52 68.7,13.83 69.97,15.1 72.78,15.1 J8#20.1
Board_19-/extRef: length 3.8
  Top w0.127: 74.75,17.83 74.75,16.2 J9#12.1
  Bottom w0.127: 74.75,17.83 74.75,16.2 J9#12.1
Board_19-/GPIO: length 17.7
  Top w0.127: U1#13.10 72.1,11.49 71.02,10.4 71.02,7.92 71.36,7.58 72.62,7.58 73.27,8.23
  Bottom w0.127: R1#20.2 65.11,10.68 67.19,8.6 68.88,8.6 69.91,7.58 72.62,7.58 73.27,8.23
Board_19-/i2C_SCL: length 19.7
  Top w0.127: 73.75,17.83 v1(73.75,18.85) 73.9,19 75.01,19 77.05,16.96 77.05,14.12 U1#13.20 v1(76.79,13.09)
  Bottom w0.127: v1(73.75,18.85) 73.75,17.83 ; 75.81,8.23 76.46,7.58 77.73,7.58 77.73,12.71 77.35,13.09 v1(76.79,13.09)
Board_19-/I2C_SDA: length 18.4
  Top w0.127: 76.87,12.27 77.73,11.4 77.73,8.88 77.08,8.23 ; 76.87,12.27 77.27,12.67 77.27,17.05 74.86,19.45 73.55,19.45 v1(73.25,19.15) 73.25,17.83 ; 76.87,12.27 76.44,12.69 U1#13.19
  Bottom w0.127: v1(73.25,19.15) 73.25,17.83
Board_19-/IO1_in: length 12.2
  Top w0.127: v1(76.56,15) 75.4,15 74.57,14.17 U1#13.3
  Bottom w0.127: v1(76.56,15) 76.56,15.04 77.05,15.53 77.05,16.91 74.4,19.56 72.81,19.56 72.25,19 72.25,17.83
Board_19-/IO1_out: length 19.7
  Top w0.127: v1(77.3,10.71) 77.3,9.72 77.08,9.5 75.74,10.84 U1#13.15 ; 72.25,17.83 72.25,18.45 71.8,18.9 71.8,19.8 v1(71.7,19.9)
  In2.Cu w0.127: v1(77.3,10.71) 77.64,11.05 77.64,17.11 74.65,20.1 71.9,20.1 v1(71.7,19.9)
Board_19-/IO2: length 2.1
  Top w0.127: v1(72.75,18.85) 72.75,17.83
  Bottom w0.127: 72.75,17.83 v1(72.75,18.85)
Board_19-/LED_IN: length 1.6
  Top w0.127: U1#13.2 74.97,14.05 75.23,14.32 75.55,14.32 v1(75.95,13.92)
Board_19-/PICO: length 3.7
  Top w0.127: 71.25,17.83 71.25,16.12 J6#4.1
  Bottom w0.127: J6#4.1 71.25,16.12 71.25,17.83
Board_19-/PICO_ARM: length 1.4
  Top w0.127: 74.54,9.5 74.57,9.53 U1#13.13
Board_19-/POCI: length 4.4
  Top w0.127: J5#15.1 69.86,16.12 70.75,17 70.75,17.83
  Bottom w0.127: J5#15.1 69.86,16.12 70.75,17 70.75,17.83
Board_19-/SCLK: length 4.2
  Top w0.127: 71.75,17.83 71.75,17 72.41,16.35 J7#10.1
  Bottom w0.127: 71.75,17.83 71.75,17 72.41,16.34 J7#10.1
Board_19-/SCLK_ARM: length 1.7
  Top w0.127: 73.27,9.5 74.17,10.4 U1#13.12
Board_19-/SPICS_ARM: length 9.9
  Top w0.127: 74.54,8.23 73.67,7.36 71.27,7.36 70.8,7.83 70.8,10.49 72.2,11.89 U1#13.9
Board_19-/SWDIO/POCI_ARM: length 1.7
  Top w0.127: 75.81,9.5 74.97,10.34 U1#13.14
Board_19-/Vcap: length 1.2
  Top w0.127: C1#14.2 73.38,14.13 U1#13.5
Board_19-GND: length 34.7
  Top w0.127: 67.25,17.83 67.25,16.08 J2#2.1 v1(65.96,14.64) 65,13.67 U2#11.1 ; C1#14.1 74.17,14.64 U1#13.4 74.17,12.69 74.21,12.65 v1(74.25,12.65) 74.25,12.61 U1#13.21 ; 69.34,9.78 U2#11.14 U2#11.11 ; v1(63.6,14.8) 64.2,14.2 U2#11.1 ; U2#11.11 70.45,7.83 ; U2#11.11 68.32,7.83 v1(68.1,7.6) ; U2#11.1 63.55,13.67 63.25,13.37 63.25,8.17 63.59,7.83 U2#11.10 64.22,7.8 v1(65.8,7.8) ; U2#11.18 v1(69.75,11.75) U2#11.17
  Bottom w0.127: 75.95,12.09 75.13,12.09 v1(74.95,11.9) 74.76,12.09 74.66,12.09 ; 64.51,8.6 64.51,12.9 65.05,13.44 65.05,13.92 65.24,13.92 v1(65.96,14.64) ; J2#2.1 67.25,16.08 67.25,17.83
  vias: v1(63.95,21.25) v1(63.95,19.55) v1(64.56,20.4) v1(65.15,21.25) v1(65.15,19.55) v1(67.7,13.4) v1(67.7,12.6) v1(67.7,11.9) v1(70.5,12.25) v1(71.2,13.2) v1(71.2,12.6) v1(71.2,12) v1(71.7,12.3) v1(74.25,11.9) v1(74.95,12.65) v1(75.85,21.25) v1(75.85,19.55) v1(76.44,20.4) v1(77.05,21.25) v1(77.05,19.55)
Board_19-Net-(LED1-DO): length 14.5
  Bottom w0.127: 77.05,12.09 76.01,13.13 75.41,13.13 75.09,13.45 72.45,13.45 71.35,14.55 66.79,14.55 65.05,12.81 65.05,12.09

## Copper pours and planes (outline as drawn; the poured copper is in the pictures)
(no net) on Top: 0.53,1.71 0.57,1.56 0.61,1.43 0.68,1.29 0.75,1.17 0.84,1.05 0.94,0.94 1.05,0.84 1.17,0.75 1.29,0.68 1.43,0.61 1.56,0.57 1.71,0.53 1.85,0.51 2.02,0.5 81.98,0.5 82.15,0.51 82.29,0.53 82.44,0.57 82.57,0.61 82.71,0.68 82.83,0.75 82.95,0.84 83.06,0.94 83.16,1.05 83.25,1.17 83.32,1.29 83.39,1.43 83.43,1.56 83.47,1.71 83.49,1.85 83.5,2.02 83.5,99.23 83.49,99.4 83.47,99.54 83.43,99.69 83.39,99.82 83.32,99.96 83.25,100.08 83.16,100.2 83.06,100.31 82.95,100.41 82.83,100.5 82.71,100.57 82.57,100.64 82.44,100.68 82.29,100.72 82.15,100.74 81.98,100.75 2.02,100.75 1.85,100.74 1.71,100.72 1.56,100.68 1.43,100.64 1.29,100.57 1.17,100.5 1.05,100.41 0.94,100.31 0.84,100.2 0.75,100.08 0.68,99.96 0.61,99.82 0.57,99.69 0.53,99.54 0.51,99.4 0.5,99.23 0.5,2.02 0.51,1.85 ; 2 cut-outs
(no net) on Bottom: 0.53,1.71 0.57,1.56 0.61,1.43 0.68,1.29 0.75,1.17 0.84,1.05 0.94,0.94 1.05,0.84 1.17,0.75 1.29,0.68 1.43,0.61 1.56,0.57 1.71,0.53 1.85,0.51 2.02,0.5 81.98,0.5 82.15,0.51 82.29,0.53 82.44,0.57 82.57,0.61 82.71,0.68 82.83,0.75 82.95,0.84 83.06,0.94 83.16,1.05 83.25,1.17 83.32,1.29 83.39,1.43 83.43,1.56 83.47,1.71 83.49,1.85 83.5,2.02 83.5,99.23 83.49,99.4 83.47,99.54 83.43,99.69 83.39,99.82 83.32,99.96 83.25,100.08 83.16,100.2 83.06,100.31 82.95,100.41 82.83,100.5 82.71,100.57 82.57,100.64 82.44,100.68 82.29,100.72 82.15,100.74 81.98,100.75 2.02,100.75 1.85,100.74 1.71,100.72 1.56,100.68 1.43,100.64 1.29,100.57 1.17,100.5 1.05,100.41 0.94,100.31 0.84,100.2 0.75,100.08 0.68,99.96 0.61,99.82 0.57,99.69 0.53,99.54 0.51,99.4 0.5,99.23 0.5,2.02 0.51,1.85 ; 2 cut-outs
Board_0-GND on Top, Bottom, In1.Cu, In2.Cu: 6,95.25 21,95.25 21,79 6,79
Board_1-GND on Top, Bottom, In1.Cu, In2.Cu: 23,95.25 38,95.25 38,79 23,79
Board_2-GND on Top, Bottom, In1.Cu, In2.Cu: 46,95.25 61,95.25 61,79 46,79
Board_3-GND on Top, Bottom, In1.Cu, In2.Cu: 63,95.25 78,95.25 78,79 63,79
Board_4-GND on Top, Bottom, In1.Cu, In2.Cu: 6,77 21,77 21,60.75 6,60.75
Board_5-GND on Top, Bottom, In1.Cu, In2.Cu: 23,77 38,77 38,60.75 23,60.75
Board_6-GND on Top, Bottom, In1.Cu, In2.Cu: 46,77 61,77 61,60.75 46,60.75
Board_7-GND on Top, Bottom, In1.Cu, In2.Cu: 63,77 78,77 78,60.75 63,60.75
Board_8-GND on Top, Bottom, In1.Cu, In2.Cu: 6,58.75 21,58.75 21,42.5 6,42.5
Board_9-GND on Top, Bottom, In1.Cu, In2.Cu: 23,58.75 38,58.75 38,42.5 23,42.5
Board_10-GND on Top, Bottom, In1.Cu, In2.Cu: 46,58.75 61,58.75 61,42.5 46,42.5
Board_11-GND on Top, Bottom, In1.Cu, In2.Cu: 63,58.75 78,58.75 78,42.5 63,42.5
Board_12-GND on Top, Bottom, In1.Cu, In2.Cu: 6,40.5 21,40.5 21,24.25 6,24.25
Board_13-GND on Top, Bottom, In1.Cu, In2.Cu: 23,40.5 38,40.5 38,24.25 23,24.25
Board_14-GND on Top, Bottom, In1.Cu, In2.Cu: 46,40.5 61,40.5 61,24.25 46,24.25
Board_15-GND on Top, Bottom, In1.Cu, In2.Cu: 63,40.5 78,40.5 78,24.25 63,24.25
Board_16-GND on Top, Bottom, In1.Cu, In2.Cu: 6,22.25 21,22.25 21,6 6,6
Board_17-GND on Top, Bottom, In1.Cu, In2.Cu: 23,22.25 38,22.25 38,6 23,6
Board_18-GND on Top, Bottom, In1.Cu, In2.Cu: 46,22.25 61,22.25 61,6 46,6
Board_19-GND on Top, Bottom, In1.Cu, In2.Cu: 63,22.25 78,22.25 78,6 63,6

Small or netless copper shapes (teardrops, artwork), in the pictures only: 10 on Top, 10 on Bottom

## Text on the board
F.Silkscreen: Panel 5x2 - CleverHand EMG v3.0
User.2: PCB3D_TL_COM_MOD
